# KiCad board HPPSI02.kicad_pcb (continued)
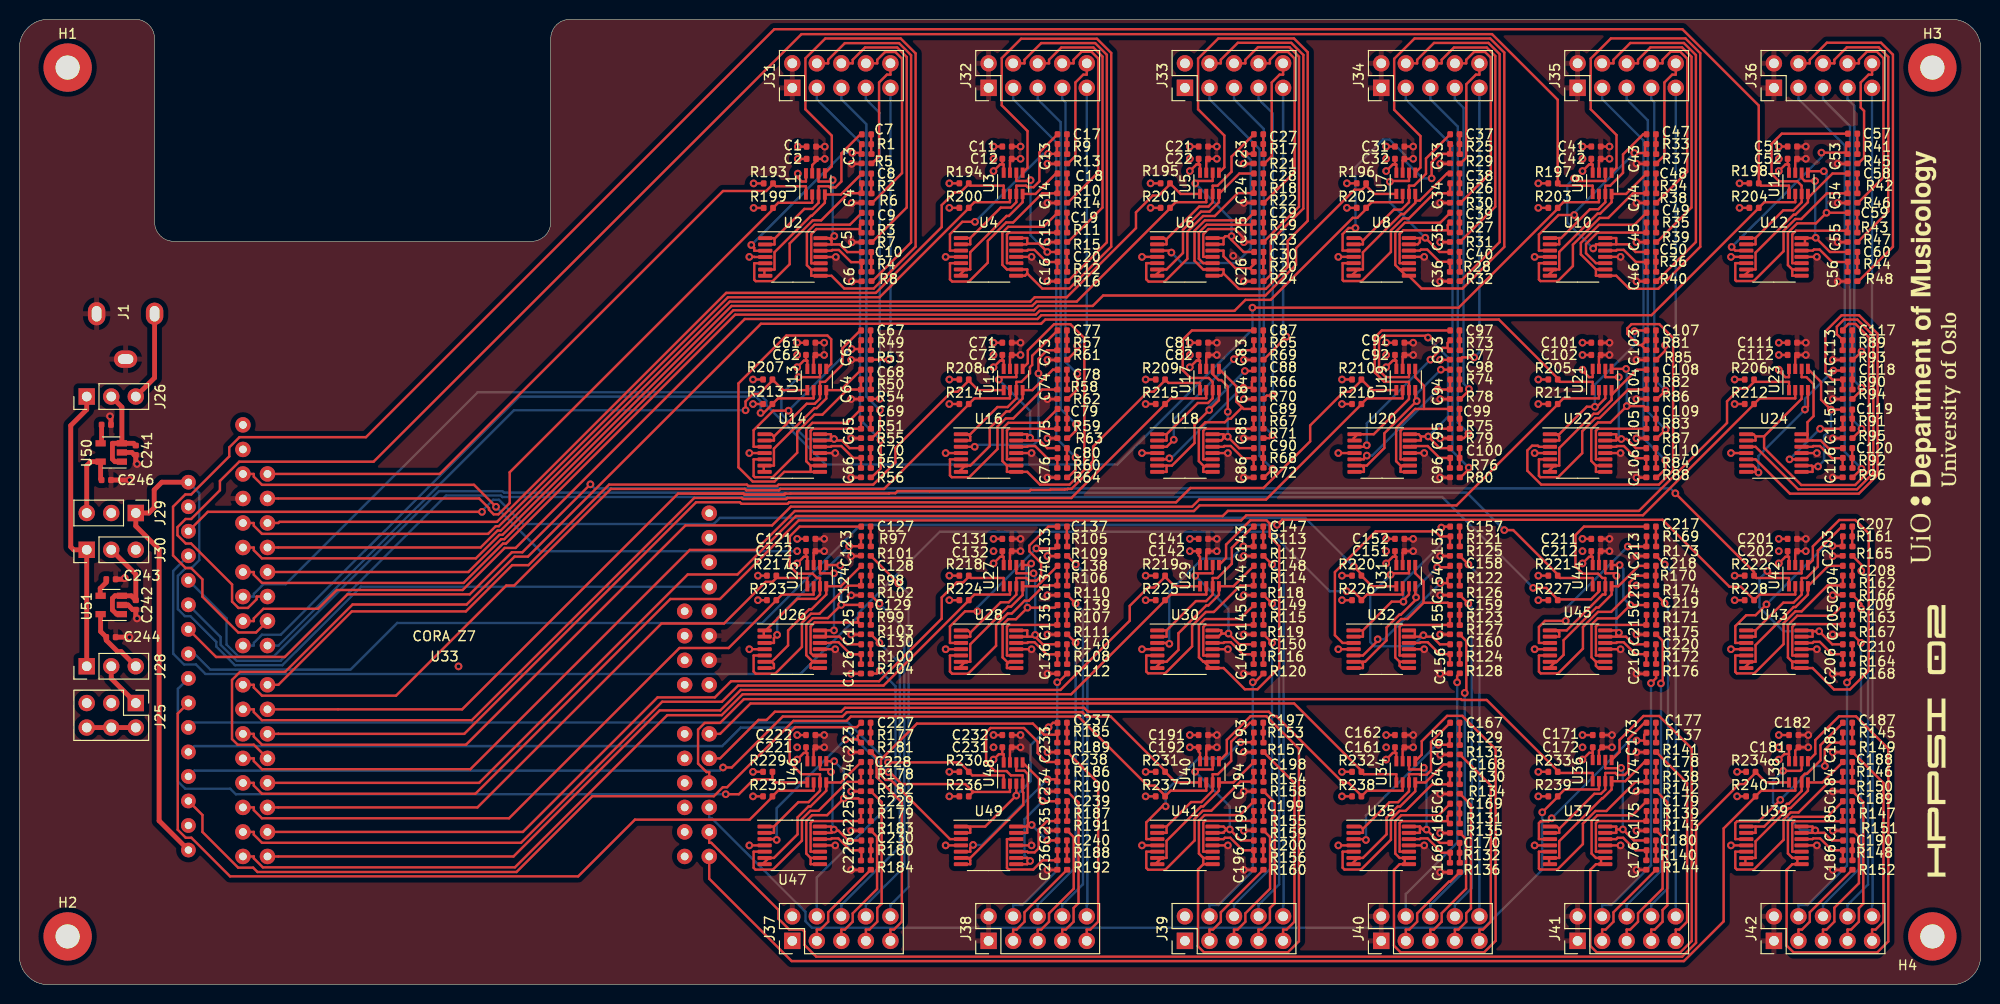
[diagram p0: board, top side]
## Routing (per net, layer and track width the routed paths; a pad name or vN(x,y) marks a point on that pad's centre or on a via; arc(x,y) is an arc through that point) (continued)
VIN4_0: length 11.4
  Top w0.25: J31.10 90.16,94.26 89.79,94.26 88.98,93.46 88.98,85.8 88.26,85.08 R5.1
VIN4_1: length 11.5
  Top w0.25: J32.10 110.48,94.26 110.11,94.26 109.3,93.46 109.3,85.83 108.54,85.06 R13.1
VIN4_2: length 11.5
  Top w0.25: J33.10 130.8,94.26 130.43,94.26 129.62,93.46 129.62,85.81 128.88,85.06 R21.1
VIN4_3: length 11.5
  Top w0.25: J34.10 151.12,94.26 150.75,94.26 149.76,93.28 149.76,85.66 149.17,85.06 R29.1
VIN4_4: length 11.4
  Top w0.25: J35.10 171.44,94.26 171.07,94.26 170.26,93.46 170.26,85.9 169.43,85.06 R37.1
VIN4_5: length 11.6
  Top w0.25: R45.1 190.33,85.06 190.93,85.66 190.93,90.51 190.58,90.86 190.58,93.46 191.39,94.26 191.76,94.26 J36.10
VIN4_6: length 30.1
  Top w0.25: R53.1 v1(90,64.75)
  Bottom w0.25: J31.9 90.16,64.9 v1(90,64.75)
VIN4_7: length 29
  Top w0.25: R61.1 108.47,64.75 109.5,65.77 v1(109.5,66.17)
  Bottom w0.25: J32.9 110.48,67.15 v1(109.5,66.17)
VIN4_8: length 29.3
  Top w0.25: R69.1 128.79,64.75 131.15,67.11 v1(131.15,67.12)
  Bottom w0.25: v1(131.15,67.12) 130.8,67.47 J33.9
VIN4_9: length 29.7
  Top w0.25: v1(150.57,64.98) 149.32,64.98 R77.1
  Bottom w0.25: J34.9 151.12,65.52 v1(150.57,64.98)
VIN4_10: length 29
  Top w0.25: v1(170.34,66.23) 170.34,65.65 169.43,64.75 R85.1
  Bottom w0.25: v1(170.34,66.23) 171.44,67.34 J35.9
VIN4_11: length 29.1
  Top w0.25: v1(190.67,65.59) 189.83,64.75 R93.1
  Bottom w0.25: J36.9 191.76,66.68 v1(190.67,65.59)
VIN4_12: length 39.7
  Top w0.25: v1(90.98,41.57) R101.1
  Bottom w0.25: v1(90.98,41.57) 92.04,40.51 92.04,10.13 90.16,8.26 J37.10
VIN4_13: length 38.2
  Top w0.25: R109.1 v1(109.34,43.53)
  Bottom w0.25: J38.10 110.48,8.26 110.54,8.32 110.54,42.33 v1(109.34,43.53)
VIN4_14: length 38.2
  Top w0.25: v1(129.66,43.53) R117.1
  Bottom w0.25: J39.10 130.8,8.26 130.85,8.31 130.85,42.34 v1(129.66,43.53)
VIN4_15: length 38.2
  Top w0.25: v1(149.98,43.53) R125.1
  Bottom w0.25: v1(149.98,43.53) 151.12,42.39 J40.10
VIN4_16: length 38.2
  Top w0.25: v1(170.3,43.53) R173.1
  Bottom w0.25: J41.10 171.44,42.39 v1(170.3,43.53)
VIN4_17: length 38.2
  Top w0.25: R165.1 190.65,43.51 v1(190.65,42.87)
  Bottom w0.25: v1(190.65,42.87) 191.81,41.7 191.81,8.31 191.76,8.26 J42.10
VIN4_18: length 21.6
  Top w0.25: R181.1 88.73,23.5 88.73,21.49 91.34,18.88 91.34,6.53 90.53,5.72 90.16,5.72 J37.9
VIN4_19: length 21.6
  Top w0.25: J38.9 110.48,5.72 110.85,5.72 111.66,6.53 111.66,20.89 R189.1
VIN4_20: length 21.6
  Top w0.25: J39.9 130.8,5.72 131.17,5.72 131.98,6.52 131.98,20.9 R157.1
VIN4_21: length 21.3
  Top w0.25: J40.9 151.12,5.72 151.49,5.72 152.3,6.52 152.3,20.64 R133.1
VIN4_22: length 21.6
  Top w0.25: R141.1 172.62,20.9 172.62,6.52 171.81,5.72 171.44,5.72 J41.9
VIN4_23: length 21.6
  Top w0.25: J42.9 191.76,5.72 192.13,5.72 192.94,6.52 192.94,20.9 R149.1
SCL0: length 73.3
  Top w0.25: U33.33 47.6,50.37 48.61,49.36 48.61,49.2 49.09,48.72 49.58,48.72 50.75,49.89 50.75,53.08 78.01,80.33 R199.2 78.54,80.99 82.06,80.99 U1.2
SCL1: length 95.1
  Top w0.25: U3.2 102.53,81.05 98.85,81.05 98.26,80.47 98.26,80.44 89.04,71.21 73.35,71.21 49.63,47.5 49.31,47.5 48.52,46.7 25.11,46.7 24.27,47.54 24.27,47.82 U33.14
SCL2: length 116.5
  Top w0.25: U5.2 122.85,81.05 119.68,81.05 119.09,80.47 119.09,80.41 109.44,70.76 105.28,70.76 104.83,70.31 73.72,70.31 50,46.59 49.68,46.59 47.25,44.16 25.11,44.16 24.27,45 24.27,45.28 U33.13
SCL3: length 137.9
  Top w0.25: U33.12 24.27,42.74 24.27,42.46 25.11,41.62 45.98,41.62 50.06,45.69 50.38,45.69 74.09,69.41 105.2,69.41 105.6,69.8 125.77,69.8 126.9,70.94 129.52,70.94 138.01,79.43 138.48,79.43 139.39,80.34 R202.2 139.97,81.05 143.17,81.05 U7.2
SCL4: length 166.1
  Top w0.25: v1(127.63,70.13) 148.97,70.13 159.22,80.39 159.22,80.47 159.81,81.05 163.49,81.05 U9.2
  Bottom w0.25: U33.11 24.27,40.2 24.27,40.49 25.26,41.48 27.55,41.48 47.44,61.37 76.43,61.37 77.31,60.49 77.31,60.03 83.46,53.88 113.64,53.88 127.63,67.87 v1(127.63,70.13)
SCL5: length 179.7
  Top w0.25: U33.10 24.27,37.66 24.27,37.95 25.26,38.94 30.92,38.94 32.86,40.89 45.89,40.89 50.24,45.24 51.37,45.24 75.09,68.96 105.39,68.96 105.78,69.35 168.93,69.35 180.03,80.45 R204.2 180.61,81.05 183.81,81.05 U11.2
SCL6: length 72.8
  Top w0.25: U13.2 82.21,60.73 78.53,60.73 R213.2 77.94,60.13 77.04,59.22 v1(76.72,59.22)
  Bottom w0.25: U33.9 24.27,35.13 24.27,35.41 25.11,36.25 27.07,36.25 51.73,60.91 76.24,60.91 76.72,60.44 v1(76.72,59.22)
SCL7: length 93.8
  Top w0.25: U33.8 24.27,31.06 24.27,30.78 25.11,29.94 38.99,29.94 50.4,41.35 51.22,41.35 61.23,51.35 75.11,51.35 75.25,51.21 78.63,51.21 78.77,51.35 89.5,51.35 98.26,60.12 98.26,60.15 98.85,60.73 102.53,60.73 U15.2
SCL8: length 115.1
  Top w0.25: U33.7 24.27,28.52 24.27,28.24 25.11,27.4 46.83,27.4 69.85,50.42 74.77,50.42 74.88,50.31 79.37,50.31 79.48,50.42 108.89,50.42 118.59,60.11 R215.2 119.17,60.73 122.85,60.73 U17.2
SCL9: length 136.4
  Top w0.25: U33.6 24.27,25.98 24.27,25.7 25.11,24.86 46.23,24.86 68.95,47.57 77.91,47.57 79.85,49.52 121.39,49.52 122.13,50.25 129.04,50.25 138.91,60.12 R216.2 139.49,60.73 143.17,60.73 U19.2
SCL10: length 157.8
  Top w0.25: U33.5 24.27,23.44 24.27,23.16 25.11,22.32 46.68,22.32 69.4,45.03 76.23,45.03 80.26,49.06 121.57,49.06 122.15,49.65 148.75,49.65 159.22,60.12 159.22,60.15 159.81,60.73 163.49,60.73 U21.2
SCL11: length 179.1
  Top w0.25: U33.4 24.27,20.9 24.27,20.62 25.11,19.78 47.2,19.78 67.38,39.95 72.52,39.95 80.66,48.1 126.46,48.1 127,48.63 168.05,48.63 179.54,60.13 179.54,60.15 180.13,60.73 183.81,60.73 U23.2
SCL12: length 70.2
  Top w0.25: U25.2 82.21,40.41 78.93,40.41 R223.2 78.35,39.81 73.41,34.87 68.32,34.87 50.69,17.24 25.11,17.24 24.27,18.08 24.27,18.36 U33.3
SCL13: length 91.5
  Top w0.25: U27.2 102.53,40.41 98.85,40.41 98.26,39.83 98.26,39.8 89.45,30.99 74.39,30.99 72.72,29.31 66.54,29.31 51.92,14.7 25.11,14.7 24.27,15.54 24.27,15.82 U33.2
SCL14: length 112.9
  Top w0.25: U33.1 24.27,13.28 24.27,13.09 25.2,12.16 51.3,12.16 67.06,27.92 72.7,27.92 74.86,30.08 108.87,30.08 118.59,39.8 R225.2 119.17,40.41 122.85,40.41 U29.2
SCL15: length 149.2
  Top w0.25: v1(137.39,40.76) 138.07,40.76 138.95,39.87 ; U31.2 143.17,40.41 139.49,40.41 138.95,39.87 ; 138.95,39.87 R226.2
  Bottom w0.25: U33.71 15.92,42.85 15.92,34.28 17.04,33.17 18.28,33.17 19.26,32.19 80.84,32.19 86.82,38.17 86.82,38.47 95.27,46.92 129.47,46.92 135.63,40.76 v1(137.39,40.76)
SCL16: length 161.4
  Top w0.25: 159.22,39.91 162.67,39.91 163.49,40.73 U44.2 ; 159.22,39.91 159.22,39.83 ; 159.22,39.91 158.03,41.1 v1(156.69,41.1)
  Bottom w0.25: U33.69 20.84,36.01 20.84,35.2 22.5,33.54 27.04,33.54 44.18,50.68 49.82,50.68 49.98,50.52 147.27,50.52 v1(156.69,41.1)
SCL17: length 178
  Top w0.25: U42.2 183.81,40.41 180.13,40.41 179.54,39.83 179.54,39.86 178.19,41.22 177,41.22 170.07,48.16 130.7,48.16 v1(130.17,47.63)
  Bottom w0.25: v1(130.17,47.63) 87.05,47.63 76.89,37.47 39.11,37.47 34.28,32.64 19.76,32.64 18.14,34.27 U33.67
SCL18: length 86
  Top w0.25: U33.65 16.4,28.09 16.4,16.05 17.22,15.22 17.81,15.22 21.81,11.22 57.84,11.22 63.71,17.09 75.59,17.09 77.94,19.45 R235.2 78.53,20.09 82.21,20.09 U46.2
SCL19: length 90.4
  Top w0.25: 98.72,19.97 98.26,19.51 ; 98.72,19.97 102.53,19.97 U48.2 ; 98.72,19.97 97.91,20.78 91.33,20.78 90.08,22.03 v1(89.94,22.03)
  Bottom w0.25: v1(89.94,22.03) 89.85,22.03 89.18,22.7 89.18,22.82 85.37,26.63 74.67,26.63 72.75,24.71 18.1,24.71 U33.63
SCL20: length 120.6
  Top w0.25: 118.62,19.55 R237.2 ; 118.62,19.55 117.55,20.62 116.77,20.62 109.61,27.78 86.06,27.78 85.61,27.33 80.13,27.33 73.25,20.45 72.81,20.45 71.88,19.52 59.3,19.52 51.45,11.67 24.65,11.67 24.2,12.12 22.65,12.12 18.95,15.82 18.95,17.58 U33.61 ; 118.62,19.55 119.17,20.09 122.85,20.09 U40.2
SCL21: length 78.9
  Top w0.25: U33.49 72.53,23.44 76.51,27.43 77.35,27.43 78.2,28.28 85.05,28.28 85.46,28.68 110.21,28.68 110.61,28.28 129.33,28.28 129.78,27.82 130.1,27.82 137.02,20.9 137.59,20.9 138.94,19.55 ; 138.94,19.55 R238.2 ; 138.94,19.55 139.49,20.09 143.17,20.09 U34.2
SCL22: length 108.8
  Top w0.25: v1(157.62,17.86) 159.22,19.46 159.22,19.51 159.94,20.22 163.49,20.22 163.49,21.08
  Bottom w0.25: U33.47 71.4,17.24 71.68,17.24 81.36,7.55 81.36,6.57 82.04,5.9 151.61,5.9 157.62,11.92 v1(157.62,17.86)
SCL23: length 132.1
  Top w0.25: U33.45 71.4,10.98 79.93,2.44 172.28,2.44 176.4,6.56 176.4,16.19 179.69,19.48 R240.2 180.28,20.09 183.81,20.09 U38.2
SDA0: length 69.2
  Top w0.25: 78.05,82.96 78.3,82.7 81.41,82.7 U1.1 ; 78.05,82.96 R193.2 ; 78.05,82.96 77.3,82.21 72.83,82.21 43.52,52.91 U33.34
SDA1: length 93.1
  Top w0.25: U33.32 26.81,47.83 26.93,47.95 49.44,47.95 73.16,71.66 88.65,71.66 95.47,78.48 95.47,80.75 96.78,82.07 97.39,82.07 98.26,82.94 ; U3.1 101.88,82.77 98.44,82.77 98.26,82.94 ; 98.26,82.94 98.26,83.01
SDA2: length 113.6
  Top w0.25: 119.14,82.96 119.09,83.01 ; 119.14,82.96 120.19,81.91 U5.1 ; 119.14,82.96 117.92,81.74 117.31,81.74 115.57,80 115.57,78.37 108.41,71.21 105.09,71.21 104.64,70.76 73.53,70.76 49.82,47.04 49.5,47.04 47.74,45.29 U33.31
SDA3: length 135
  Top w0.25: 139.39,82.77 140.25,81.91 U7.1 ; 139.39,82.77 R196.2 ; 139.39,82.77 138.97,82.34 138.19,82.34 132.14,76.29 132.14,74.57 128.97,71.39 112.18,71.39 111.09,70.31 105.47,70.31 105.02,69.86 73.9,69.86 50.19,46.14 49.87,46.14 46.48,42.75 U33.30
SDA4: length 195.6
  Top w0.25: U33.29 24.56,40.21 24.56,39.93 23.66,39.03 22.67,39.03 22.02,39.68 22.02,41.46 17.78,45.7 17.23,45.7 16.37,46.56 16.37,47.4 17.21,48.24 17.79,48.24 20.76,51.22 20.76,52.18 22.76,54.17 36.66,54.17 80.96,98.47 152.42,98.47 159.22,91.66 159.22,83.01 159.47,82.77 162.84,82.77 U9.1
SDA5: length 220.2
  Top w0.25: U11.1 183.16,82.77 180.27,82.77 R198.2 180.03,91.07 172.12,98.98 78.14,98.98 35.88,56.72 22.79,56.72 21.73,55.66 21.73,54.72 17.79,50.78 17.18,50.78 15.91,49.51 15.91,44.46 17.21,43.16 17.78,43.16 18.95,41.99 18.95,40.19 22.66,36.48 24.5,36.48 U33.28
SDA6: length 68.3
  Top w0.25: 78,62.63 R207.2 ; 78,62.63 76.55,61.19 75.93,61.19 75.17,60.42 v1(75.17,59.5) ; 78,62.63 79.05,61.59 U13.1
  Bottom w0.25: v1(75.17,59.5) 51.18,59.5 26.81,35.13 U33.27
SDA7: length 90.8
  Top w0.25: 98.26,62.69 98.26,62.57 ; 98.26,62.57 97.12,61.42 96.5,61.42 90.67,55.6 90.67,54.1 88.38,51.8 78.58,51.8 78.44,51.66 75.44,51.66 75.3,51.8 61.04,51.8 52.69,43.46 51.01,43.46 46.22,38.67 34.41,38.67 26.81,31.06 U33.26 ; 98.26,62.57 99.24,61.59 U15.1
SDA8: length 122.8
  Top w0.25: 79.29,50.87 79.18,50.76 75.07,50.76 74.95,50.87 68.18,50.87 45.83,28.52 U33.25 ; 79.29,50.87 79.26,50.84 79.15,50.84 79.07,50.76 75.07,50.76 74.95,50.87 69.5,50.87 ; 79.29,50.87 79.81,50.87 79.82,50.87 90,50.87 90.03,50.9 90.67,50.9 90.9,51.13 94.23,51.13 104.56,51.13 104.68,51.25 106.68,51.25 106.72,51.29 108.19,51.29 108.22,51.32 108.46,51.32 108.49,51.35 108.89,51.35 110.94,53.4 110.94,54.04 111.14,54.24 111.14,55.74 116.81,61.42 117.4,61.42 118.63,62.65 ; R209.2 118.63,62.65 ; 118.63,62.65 118.94,62.33 122.2,62.33 U17.1
SDA9: length 133.6
  Top w0.25: U33.24 26.81,25.98 46.05,25.98 70.04,49.97 74.58,49.97 74.74,49.81 79.51,49.81 79.66,49.97 119.72,49.97 121.2,51.45 128.77,51.45 133.6,56.28 133.6,57.93 137.09,61.42 137.74,61.42 138.96,62.64 ; 138.96,62.64 R210.2 ; 138.96,62.64 140,61.59 U19.1
SDA10: length 170.5
  Top w0.25: U33.23 24.27,24.86 22.6,24.86 22.01,25.44 22.01,31.57 22.85,32.4 27.51,32.4 34.49,39.38 46.29,39.38 51.25,44.34 52.64,44.34 76.76,68.46 105.75,68.46 106.19,68.9 153.14,68.9 159.22,62.81 159.22,62.69 159.47,62.45 162.84,62.45 U21.1
SDA11: length 177.1
  Top w0.25: U23.1 183.16,62.45 179.54,62.45 ; 179.54,62.45 178.85,61.75 178.06,61.75 176.75,60.43 176.75,58.19 167.64,49.08 125.09,49.08 124.55,48.55 80.38,48.55 74.33,42.49 69.18,42.49 47.59,20.9 U33.22 ; 179.54,62.45 179.54,62.69
SDA12: length 66.8
  Top w0.25: 78.35,42.13 81.56,42.13 U25.1 ; 78.35,42.13 77.95,41.72 77.25,41.72 72.94,37.41 66.47,37.41 47.42,18.36 U33.21 ; 78.35,42.13 R217.2
SDA13: length 89.5
  Top w0.25: 98.33,42.31 97.69,41.67 97.03,41.67 95.47,40.11 95.47,37.92 88.98,31.44 73.66,31.44 71.99,29.76 66.06,29.76 52.12,15.82 U33.20 ; 98.33,42.31 98.51,42.13 101.88,42.13 U27.1 ; 98.33,42.31 98.26,42.37
SDA14: length 109.9
  Top w0.25: 118.59,42.25 117.47,41.13 116.82,41.13 114.93,39.24 114.93,37.7 107.76,30.53 74.67,30.53 72.55,28.41 66.27,28.41 51.15,13.28 U33.19 ; 118.59,42.25 119.56,41.27 U29.1 ; 118.59,42.25 R219.2
SDA15: length 130.8
  Top w0.25: v1(47.89,48.98) 19.51,48.98 U33.72 ; v1(138.12,43.32) 138.91,42.53 R220.2 140,41.27 U31.1
  Bottom w0.25: v1(138.12,43.32) 133.09,48.35 72.5,48.35 71.87,47.72 52.15,47.72 49.64,50.23 49.04,50.23 47.89,49.08 v1(47.89,48.98)
SDA16: length 161.9
  Top w0.25: v1(153.69,47.09) 154.62,47.09 159.22,42.48 159.22,42.37 159.47,42.13 162.84,42.13 U44.1
  Bottom w0.25: v1(153.69,47.09) 149.81,50.97 50.17,50.97 50.01,51.13 43.45,51.13 26.31,33.99 22.69,33.99 21.45,35.23 21.45,37.94 U33.70
SDA17: length 179.4
  Top w0.25: v1(171.4,50.9) 179.54,42.75 179.54,42.37 179.79,42.13 183.16,42.13 U42.1 ; U33.68 20.36,33.95 27.48,33.95 33.97,40.43 46.62,40.43 50.97,44.79 52.07,44.79 v1(59.11,51.83)
  Bottom w0.25: v1(59.11,51.83) 59.52,51.42 170.88,51.42 v1(171.4,50.9)
SDA18: length 78.4
  Top w0.25: v1(73.11,19.73) 74.47,19.73 76.02,21.27 77.94,21.27 ; U46.1 78.27,20.95 77.94,21.27 ; 77.94,21.27 R229.2
  Bottom w0.25: U33.66 16.41,30.64 16.41,21.06 17.18,20.3 21.84,20.3 22.41,19.73 v1(73.11,19.73)
SDA19: length 87.7
  Top w0.25: v1(89.91,23.03) 97.31,23.03 98.26,22.08 98.26,22.05 98.64,21.68 101.88,21.68 U48.1
  Bottom w0.25: U33.64 18,27.15 85.78,27.15 v1(89.91,23.03)
SDA20: length 110.5
  Top w0.25: v1(72.84,22.5) 73.74,22.5 79.01,27.78 85.2,27.78 85.65,28.23 110.02,28.23 110.47,27.78 112.96,27.78 118.59,22.15 R231.2 119.69,20.95 U40.1
  Bottom w0.25: v1(72.84,22.5) 72.51,22.17 18.1,22.17 U33.62
SDA21: length 76.4
  Top w0.25: U33.50 72.53,25.98 75.68,29.13 131.95,29.13 138.91,22.17 R232.2 139.15,21.81 142.52,21.81 U34.1
SDA22: length 104.1
  Top w0.25: 162.84,21.08 162.84,21.93 159.34,21.93 159.22,22.05 159.22,22.14 151.87,29.49 149.3,29.49 149.21,29.58 74.99,29.58 72.53,27.12 70.95,27.12 70.25,26.42 70.25,22.9 71.12,22.03 71.4,22.03 U33.48
SDA23: length 134.5
  Top w0.25: 179.75,22 180.79,20.95 U38.1 ; 179.75,22 178.53,20.78 178,20.78 173.54,16.32 173.54,4.34 172.1,2.9 82.48,2.9 81.27,4.11 81.27,5.49 81.04,5.72 79.68,5.72 78.56,6.84 78.56,7.76 71.62,14.7 71.4,14.7 U33.46 ; 179.75,22 R234.2
V_RAW: length 29.7
  Top w0.5: J1.1 14,62.87 J26.3
  In2.Cu w0.5: J26.3 12.91,60.08 14.03,60.08 15.23,58.88 15.23,46.18 14.1,45.05 J30.3
Net-(C3-Pad1): length 18.1
  Top w0.25: v1(75.76,76.62) 76.06,76.32 76.06,76.03 77.11,76.03 ; 87.06,86.16 87.06,86.93 87.2,87.06 ; 87.06,86.16 C3.1 ; 87.06,86.16 v1(86.21,86.16)
  Bottom w0.25: v1(86.21,86.16) 85.3,86.16 v1(75.76,76.62)
Net-(C4-Pad1): length 20
  Top w0.25: 77.11,74.73 76.06,74.73 76.06,73.03 76.21,72.88 77.98,72.88 79.73,74.63 79.73,76.78 82.12,79.17 82.99,79.17 85.8,81.98 C4.1 87.2,82.01 87.2,83
Net-(C5-Pad1): length 10.5
  Top w0.25: 87.01,78.27 87.01,78.06 C5.1 ; 87.01,78.27 82.5,78.27 81.96,77.74 81.96,74.73 83.01,74.73 ; 87.01,78.27 87.01,78.75 87.2,78.94
Net-(C6-Pad1): length 5.8
  Top w0.25: 87.18,74.85 86.09,74.85 84.83,76.11 84.14,76.11 84.06,76.03 83.01,76.03 ; 87.18,74.85 87.2,74.87 ; 87.18,74.85 C6.1
Net-(C7-Pad1): length 19
  Top w0.25: 78.16,77.27 81.25,80.36 82.09,80.36 82.72,80.99 U1.3 82.72,82.7 83.77,82.7 83.88,82.59 84.47,82.59 85.08,83.2 85.08,86.11 87.05,88.08 87.2,88.08 ; 78.16,77.27 78.11,77.33 77.11,77.33 ; 78.16,77.27 78.16,76.68 77.11,76.68
Net-(C7-Pad2): length 2
  Top w0.25: R5.2 88.17,86.07 R1.1 C7.2
Net-(C8-Pad1): length 16.4
  Top w0.25: 77.11,73.43 77.11,74.08 78.16,74.08 78.16,75.87 81.93,79.64 82.02,79.64 83.37,80.99 U1.4 85.03,81.85 87.2,84.02
Net-(C8-Pad2): length 2.1
  Top w0.25: C8.2 R2.1 88.17,81.98 R6.2
Net-(C9-Pad1): length 71.7
  Top w0.25: 81.96,74.08 81.96,73.43 84.06,73.43 85.38,72.11 88.43,72.11 92.77,76.45 92.77,96.47 91.22,98.02 83.42,98.02 81.36,95.95 81.36,90.68 84.09,87.95 84.09,84.77 U1.5 ; 81.96,74.08 81.51,74.53 81.51,77.93 82.31,78.72 85.97,78.72 87.2,79.95 ; 81.96,74.08 83.01,74.08
Net-(C9-Pad2): length 2.1
  Top w0.25: R7.2 88.17,77.92 R3.1 C9.2
Net-(C10-Pad1): length 15.7
  Top w0.25: v1(84.18,83.35) 84.03,83.19 82.72,83.19 U1.6 ; 83.01,76.68 84.06,76.68 ; 84.06,76.68 84.06,77.07 83.8,77.33 83.01,77.33 84.06,77.33 84.28,77.55 v1(84.35,77.55) ; 84.06,76.68 84.91,76.68 85.7,75.89 87.2,75.89
  Bottom w0.25: v1(84.18,83.35) 84.18,77.71 v1(84.35,77.55)
Net-(C10-Pad2): length 2
  Top w0.25: R8.2 88.17,73.88 R4.1 C10.2
Net-(C13-Pad1): length 18.4
  Top w0.25: 107.46,87.07 107.41,87.02 107.41,86.06 ; v1(106.47,86.06) 107.41,86.06 ; 107.41,86.06 C13.1 ; 97.37,76.04 96.32,76.04 96.32,77.74 97.6,79.02 v1(98.91,79.02)
  Bottom w0.25: v1(98.91,79.02) 105.95,86.06 v1(106.47,86.06)
Net-(C14-Pad1): length 20.1
  Top w0.25: 107.46,83.01 107.43,82.99 C14.1 105.87,81.97 102.86,78.96 102.14,78.96 100.24,77.05 100.24,74.79 98.29,72.84 96.55,72.84 96.32,73.07 96.32,74.74 97.37,74.74
Net-(C15-Pad1): length 10.4
  Top w0.25: 103.27,74.74 102.22,74.74 102.22,77.73 102.4,77.91 C15.1 107.43,78.92 107.46,78.95
Net-(C16-Pad1): length 5.8
  Top w0.25: 103.27,76.04 104.32,76.04 104.4,76.12 105.07,76.12 106.33,74.86 107.43,74.86 ; 107.46,74.88 107.43,74.86 ; 107.43,74.86 C16.1
Net-(C17-Pad1): length 19.1
  Top w0.25: 97.37,77.34 98.42,77.34 ; 98.42,77.34 98.42,76.69 97.37,76.69 ; 98.42,77.34 101.58,80.49 102.63,80.49 103.19,81.05 U3.3 103.19,82.77 104.21,82.77 104.36,82.61 104.97,82.61 105.57,83.21 105.57,86.21 107.46,88.09
Net-(C17-Pad2): length 2.1
  Top w0.25: R13.2 108.43,86.06 R9.1 C17.2
Net-(C18-Pad1): length 16.6
  Top w0.25: 97.9,74.09 98.42,74.09 98.42,75.87 102.18,79.63 102.42,79.63 103.84,81.05 U3.4 105.17,81.91 107.29,84.03 107.46,84.03 ; 97.9,74.09 97.37,73.56 97.37,73.44 ; 97.9,74.09 97.37,74.09
Net-(C18-Pad2): length 2.1
  Top w0.25: C18.2 R10.1 108.43,81.99 R14.2
Net-(C19-Pad1): length 71.4
  Top w0.25: 104.32,73.67 104.32,74.09 102.22,74.09 101.75,74.56 101.75,77.9 102.35,78.51 106,78.51 107.46,79.96 ; 104.32,73.67 105.88,72.11 108.68,72.11 113.01,76.44 113.01,96.51 111.54,97.99 103.69,97.99 101.68,95.98 101.68,91.09 104.35,88.42 104.35,84.62 U3.5 ; 104.32,73.67 104.09,73.44 103.27,73.44
Net-(C19-Pad2): length 2.1
  Top w0.25: C19.2 R11.1 108.43,77.93 R15.2
Net-(C20-Pad1): length 16.7
  Top w0.25: 104.32,76.76 105.53,76.76 v1(106.39,75.9) 107.46,75.9 ; 104.32,76.76 104.32,77.34 103.27,77.34 ; 104.32,76.76 104.25,76.69 103.27,76.69 ; U3.6 103.19,83.25 104.58,83.25 v1(104.66,83.34)
  Bottom w0.25: v1(106.39,75.9) 104.66,77.63 v1(104.66,83.34)
Net-(C20-Pad2): length 2.1
  Top w0.25: C20.2 R12.1 108.43,73.87 R16.2
Net-(C23-Pad1): length 23
  Top w0.25: C23.1 127.72,86.07 ; 127.72,86.07 127.78,86.12 127.78,87.07 ; 127.72,86.07 v1(126.82,86.07) ; 117.69,76.04 119.04,76.04 v1(119.24,75.84)
  Bottom w0.25: v1(119.24,75.84) 120.31,74.76 125.93,74.76 127.46,76.29 127.46,85.43 v1(126.82,86.07)
Net-(C24-Pad1): length 20.4
  Top w0.25: 117.69,74.74 116.63,74.74 116.63,73.07 116.87,72.83 118.54,72.83 120.89,75.18 120.89,77.99 122.52,79.62 123.73,79.62 126.1,81.99 C24.1 127.75,82.99 127.78,83.01
Net-(C25-Pad1): length 11.4
  Top w0.25: 127.53,78.7 127.53,78.13 C25.1 ; 127.53,78.7 127.5,78.72 122.89,78.72 122.08,77.91 122.08,75.19 122.53,74.74 123.59,74.74 ; 127.53,78.7 127.78,78.95
Net-(C26-Pad1): length 6.2
  Top w0.25: 127.78,74.88 127.78,74.62 127.38,74.22 ; 127.38,74.22 125.87,74.22 124.64,75.46 124.64,76.04 123.59,76.04 ; 127.38,74.22 C26.1
Net-(C27-Pad1): length 18.2
  Top w0.25: 127.78,88.09 125.46,85.78 125.46,84.21 124.02,82.77 123.51,82.77 U5.3 123.51,81.04 123.07,80.6 122.12,80.6 118.68,77.17 ; 118.68,77.17 118.74,77.11 118.74,76.69 117.69,76.69 ; 118.68,77.17 118.5,77.34 117.69,77.34
Net-(C27-Pad2): length 2.1
  Top w0.25: C27.2 R17.1 128.75,86.06 R21.2
Net-(C28-Pad1): length 17
  Top w0.25: 117.69,74.09 118.21,74.09 ; 118.21,74.09 118.74,74.09 120.44,75.79 120.44,78.21 122.31,80.07 123.18,80.07 124.16,81.05 U5.4 126.28,84.03 127.78,84.03 ; 118.21,74.09 117.69,73.56 117.69,73.44
Net-(C28-Pad2): length 2.1
  Top w0.25: R22.2 128.75,81.99 R18.1 C28.2
Net-(C29-Pad1): length 72.3
  Top w0.25: 124.64,73.67 124.4,73.44 123.59,73.44 ; 124.64,73.67 126.23,72.07 129.01,72.07 131.28,74.34 131.28,77.05 133.35,79.12 133.35,96.59 131.93,98.02 124.09,98.02 122,95.92 122,90.68 124.72,87.96 124.72,84.67 U5.5 ; 124.64,73.67 124.64,74.09 122.53,74.09 121.63,74.99 121.63,78.1 122.71,79.17 126.99,79.17 127.78,79.96
Net-(C29-Pad2): length 2.1
  Top w0.25: C29.2 R19.1 128.75,77.93 R23.2
Net-(C30-Pad1): length 16.7
  Top w0.25: v1(121.71,83) 121.96,83.25 123.51,83.25 U5.6 ; 124.64,77.34 124.83,77.54 v1(125.46,77.54) 125.46,77.15 126.71,75.9 C30.1 ; 124.64,77.34 124.64,76.69 123.59,76.69 ; 124.64,77.34 123.59,77.34
  Bottom w0.25: v1(125.46,77.54) 125.46,79.25 v1(121.71,83)
Net-(C30-Pad2): length 2.1
  Top w0.25: R24.2 128.75,73.87 R20.1 128.77,74.91 C30.2
Net-(C33-Pad1): length 26.7
  Top w0.25: v1(138.29,78.38) 137.6,78.38 136.96,77.75 136.96,76.04 138.01,76.04 ; v1(146.17,83.53) 146.17,85.19 147.04,86.06 C33.1 148.07,87.05 R25.2
  Bottom w0.25: v1(138.29,78.38) 138.29,84.68 141.15,87.55 141.82,87.55 143.42,85.94 143.42,85.34 145.23,83.53 v1(146.17,83.53)
Net-(C34-Pad1): length 20.1
  Top w0.25: 138.01,74.74 136.96,74.74 136.96,72.99 137.06,72.89 138.95,72.89 141.96,75.9 141.96,78.13 143.21,79.38 143.83,79.38 146.42,81.97 C34.1 148.07,82.99 R26.2
Net-(C35-Pad1): length 10.4
  Top w0.25: R27.2 147.84,78.69 147.84,78.14 ; C35.1 147.84,78.14 ; 147.84,78.14 143.25,78.14 142.86,77.75 142.86,74.74 143.91,74.74
Net-(C36-Pad1): length 5.8
  Top w0.25: 148.07,74.88 R28.2 ; 148.07,74.88 146.99,74.88 145.72,76.15 145.07,76.15 144.96,76.04 143.91,76.04 ; 148.07,74.88 C36.1
Net-(C37-Pad1): length 18.1
  Top w0.25: 139.06,77.08 142.26,80.28 143.06,80.28 143.83,81.05 U7.3 143.83,82.77 144.36,82.77 145.59,84 145.59,85.59 C37.1 ; 139.06,77.08 138.8,77.34 138.01,77.34 ; 139.06,77.08 139.06,76.69 138.01,76.69
Net-(C37-Pad2): length 2.1
  Top w0.25: R29.2 149.06,86.06 149.06,88.09
Net-(C38-Pad1): length 16.9
  Top w0.25: 138.01,74.09 138.54,74.09 ; 138.54,74.09 138.01,73.56 138.01,73.44 ; 138.54,74.09 139.06,74.09 139.06,75.87 143.02,79.83 143.32,79.83 144.48,80.99 144.48,81.22 ; U7.4 144.48,81.22 ; 144.48,81.22 144.95,81.22 147.75,84.03 C38.1
Net-(C38-Pad2): length 2.1
  Top w0.25: 149.06,84.03 149.06,81.99 R30.2
Net-(C39-Pad1): length 71.3
  Top w0.25: 143.8,73.44 145.13,72.11 149.38,72.11 153.69,76.42 153.69,96.56 152.24,98.02 144.41,98.02 142.3,95.91 142.3,90.63 145.02,87.91 145.02,84.65 U7.5 ; 143.8,73.44 143.52,73.44 142.87,74.09 ; 143.8,73.44 143.91,73.44 ; 143.91,74.09 142.87,74.09 ; 142.87,74.09 142.41,74.55 142.41,77.94 143.4,78.93 147.06,78.93 C39.1
Net-(C39-Pad2): length 2
  Top w0.25: 149.06,79.96 149.06,77.95 R31.2
Net-(C40-Pad1): length 16.6
  Top w0.25: 143.91,77.34 144.96,77.34 ; 144.96,77.34 145.49,77.34 v1(145.52,77.37) 146.99,75.9 C40.1 ; 144.96,77.34 144.96,76.92 144.73,76.69 143.91,76.69 ; v1(141.85,83.18) 141.93,83.25 143.83,83.25 U7.6
  Bottom w0.25: v1(145.52,77.37) 141.85,81.04 v1(141.85,83.18)
Net-(C40-Pad2): length 2.1
  Top w0.25: R32.2 149.06,73.87 149.06,75.9
Net-(C43-Pad1): length 18.5
  Top w0.25: R33.2 168.28,86.94 168.28,86.15 ; v1(167.15,86.15) 168.28,86.15 ; 168.28,86.15 C43.1 ; 158.33,76.04 157.28,76.04 157.28,77.71 159.3,79.73 v1(160.94,79.73)
  Bottom w0.25: v1(160.94,79.73) 160.94,79.94 v1(167.15,86.15)
Net-(C44-Pad1): length 20
  Top w0.25: 158.33,74.74 157.28,74.74 157.28,73.04 157.44,72.89 159.24,72.89 160.79,74.44 160.79,76.65 163.57,79.42 164.45,79.42 167,81.97 C44.1 168.39,82.99 R34.2
Net-(C45-Pad1): length 11.2
  Top w0.25: 164.23,74.74 163.18,74.74 162.15,75.77 162.15,76.73 163.33,77.91 C45.1 168.39,78.92 R35.2
Net-(C46-Pad1): length 5.8
  Top w0.25: 168.39,74.86 167.32,74.86 166.06,76.12 165.36,76.12 165.28,76.04 164.23,76.04 ; 168.39,74.86 C46.1 ; 168.39,74.86 R36.2
Net-(C47-Pad1): length 18.4
  Top w0.25: 158.33,77.34 159.38,77.34 ; C47.1 168.06,88.09 165.98,86.01 165.98,84.1 164.65,82.77 164.15,82.77 U9.3 164.15,81.05 163.42,80.32 162.56,80.32 159.58,77.34 159.38,77.34 ; 158.33,76.69 159.38,76.69 159.38,77.34
Net-(C47-Pad2): length 2.1
  Top w0.25: 169.38,88.09 169.38,86.06 R37.2
Net-(C48-Pad1): length 16.6
  Top w0.25: 158.33,74.09 158.86,74.09 ; 158.86,74.09 159.38,74.09 159.38,75.91 163.35,79.87 163.62,79.87 164.8,81.05 U9.4 166.3,81.91 C48.1 ; 158.86,74.09 158.33,73.56 158.33,73.44
Net-(C48-Pad2): length 2.1
  Top w0.25: 169.38,84.03 169.38,81.99 R38.2
Net-(C49-Pad1): length 72.4
  Top w0.25: 163.18,74.09 163.18,73.44 165.28,73.44 166.64,72.08 169.62,72.08 173.98,76.44 173.98,96.49 172.44,98.02 164.73,98.02 162.64,95.93 162.64,90.68 165.31,88.01 165.31,84.62 U9.5 ; 163.18,74.09 161.62,75.65 161.62,76.83 163.49,78.71 167.16,78.71 C49.1 ; 163.18,74.09 164.23,74.09
Net-(C49-Pad2): length 2.1
  Top w0.25: R39.2 169.38,77.93 169.38,79.96
Net-(C50-Pad1): length 20.7
  Top w0.25: C50.1 167.28,75.9 166.49,76.69 165.28,76.69 ; U9.6 164.15,83.25 161.19,83.25 v1(160.92,83.52) ; 165.28,76.69 163.18,76.69 163.18,76.55 v1(162.9,76.26) ; 165.28,76.69 165.28,77.34 164.23,77.34
  Bottom w0.25: v1(162.9,76.26) 160.21,78.94 160.21,82.81 v1(160.92,83.52)
